# EAGLE board Mk4 Final Panel 8up 2x4 (EAGLE 9.0.1), part 18 of 23
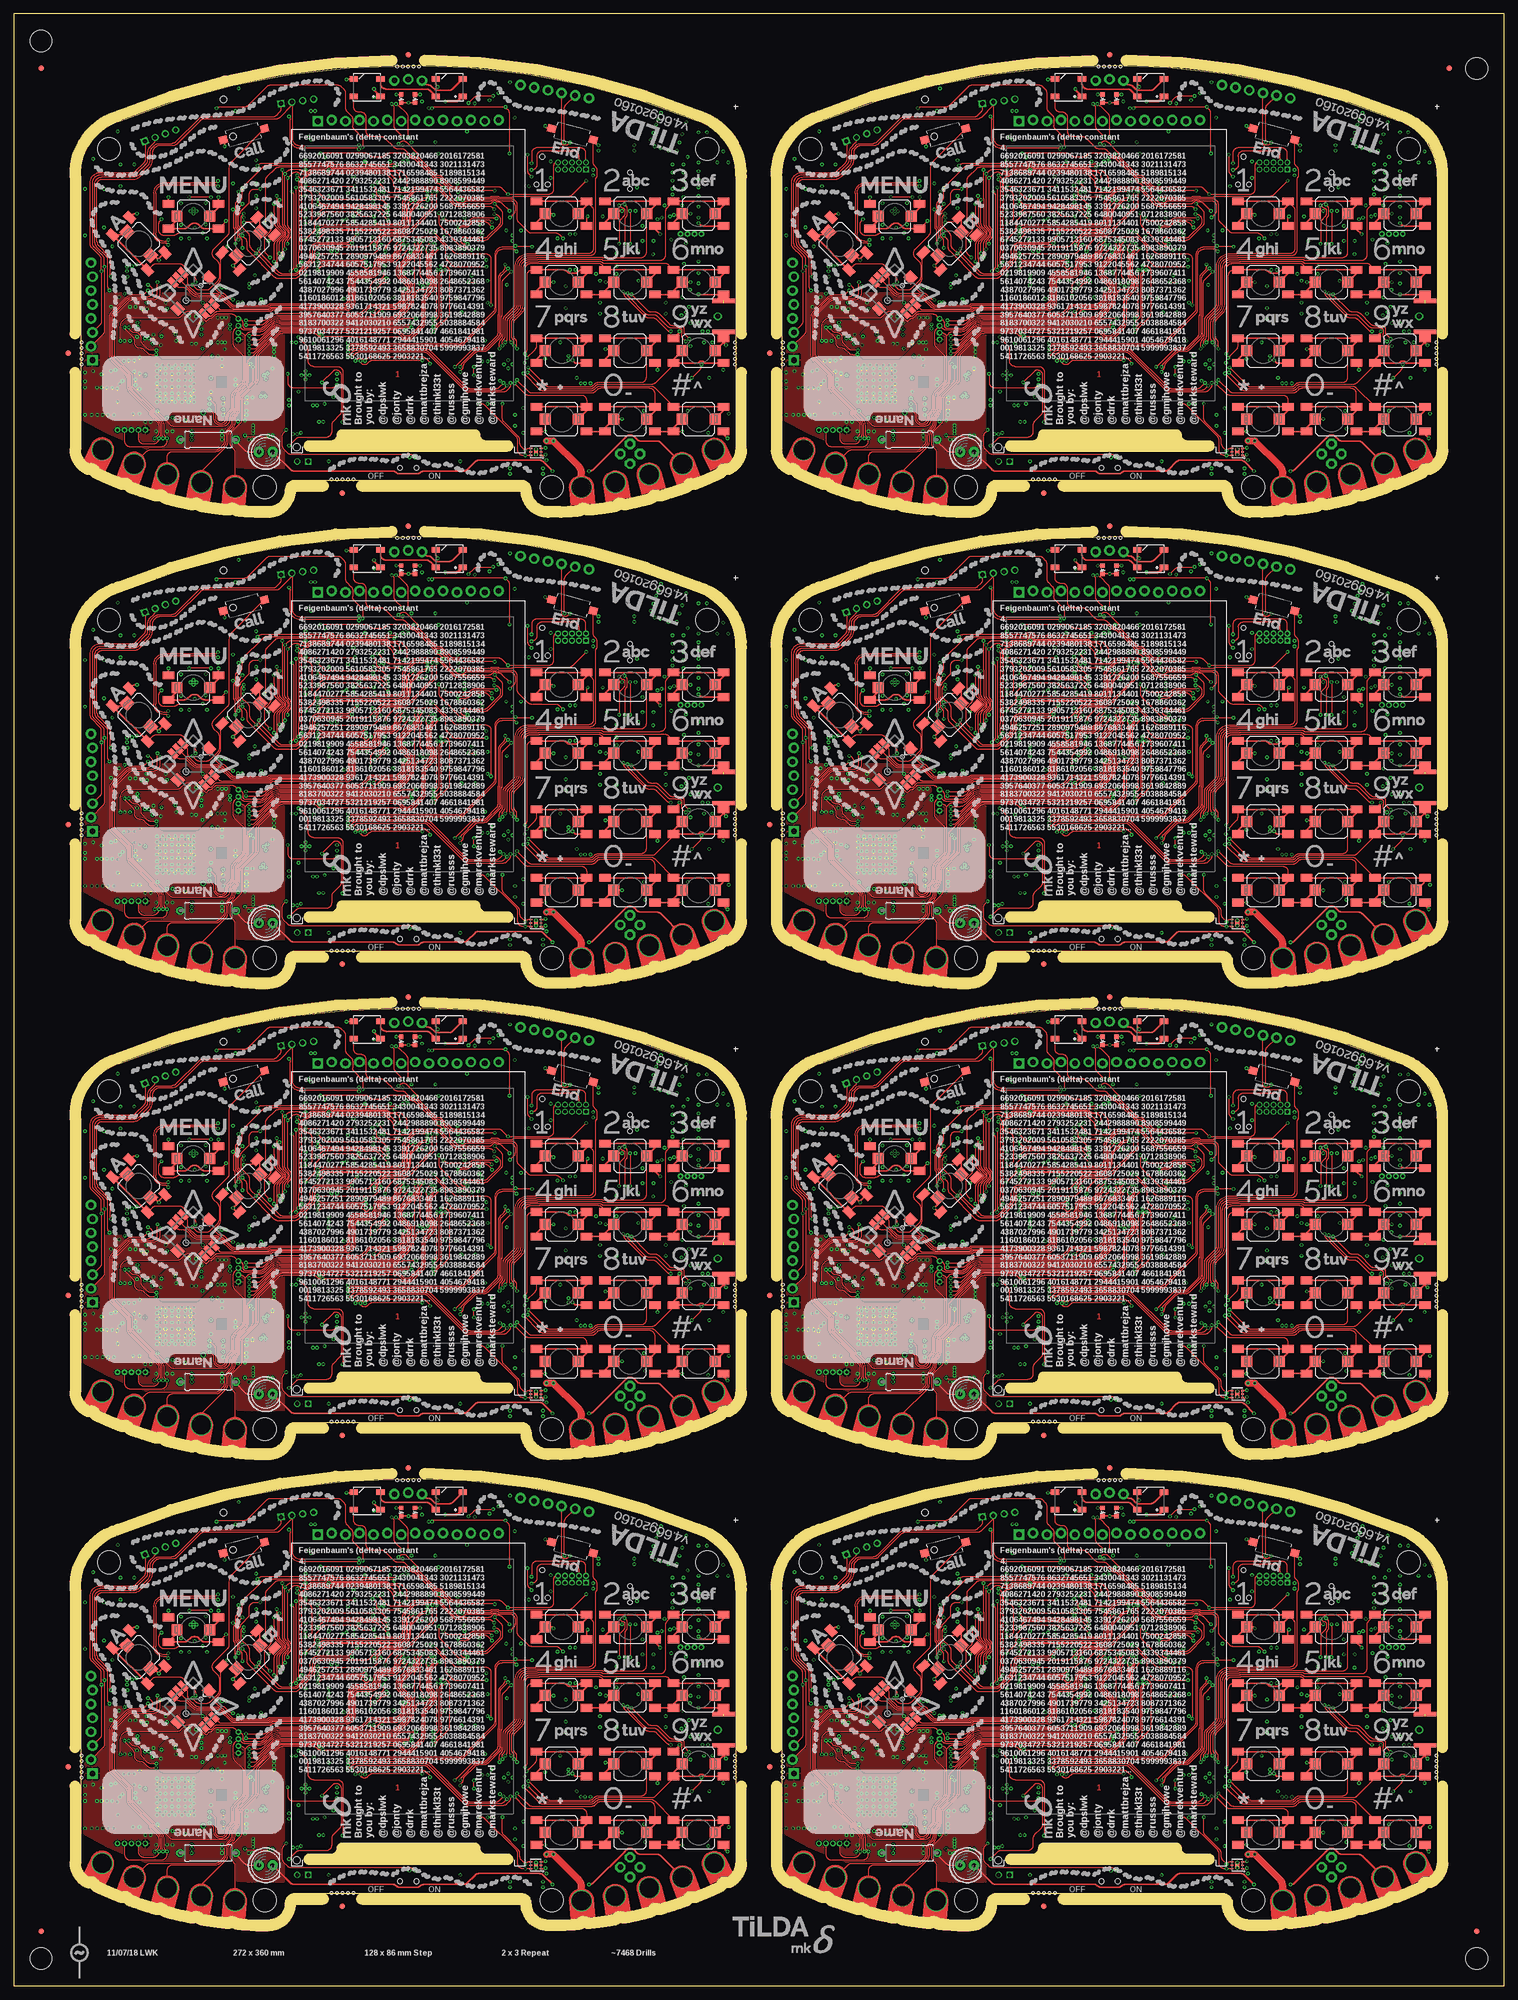
[diagram p0: board, top side]
## Tracks (layer width: path | path; a pad name or v marks a point on that pad's centre or on a via) (continued)
SDRAM_DQMH6  (via drill 0.3) (continued)
  Top 0.15: v45.75,321.75 arc45 46,322.35 46,329.59 arc-45 46.29,330.29 47.73,331.73 arc-45 48.44,332.02 56.86,332.02 56.97,332.14 arc-90 58.03,332.14 58.29,331.88 67.94,331.88 arc-45 68.29,331.73 68.43,331.59 arc45 68.78,331.44 70.14,331.44 arc-45 70.85,331.15 71.46,330.54 arc-45 71.75,329.84 v71.75,328
  Bottom 0.15: IC109.39 43.19,321.1 arc45 43.89,321.39 43.96,321.46 arc-45 44.66,321.75 v45.75,321.75 | IC110.82 72.6,329.26 arc-45 72.31,328.56 v71.75,328
SDRAM_DQMH7  (via drill 0.3)
  Top 0.15: v173.75,321.75 arc45 174,322.35 174,329.59 arc-45 174.29,330.29 175.73,331.73 arc-45 176.44,332.02 184.86,332.02 184.97,332.14 arc-90 186.03,332.14 186.29,331.88 195.94,331.88 arc-45 196.29,331.73 196.43,331.59 arc45 196.78,331.44 198.14,331.44 arc-45 198.85,331.15 199.46,330.54 arc-45 199.75,329.84 v199.75,328
  Bottom 0.15: IC127.39 171.19,321.1 arc45 171.89,321.39 171.96,321.46 arc-45 172.66,321.75 v173.75,321.75 | IC128.82 200.6,329.26 arc-45 200.31,328.56 v199.75,328
SDRAM_DQML  (via drill 0.3)
  Top 0.15: v53.25,63.75 53.5,63.75 arc90 54.5,64.75 54.5,68.7 arc90 53.5,69.7 arc-45 52.99,69.91 52.92,69.98 arc-45 52.7,70.51 52.7,71.59 arc-45 52.92,72.12 arc-45 53.54,72.38 arc45 53.84,72.5 54.05,72.71 arc-45 54.75,73 56.83,73 56.97,72.86 arc90 58.03,72.86 58.14,72.97 67.57,72.97 arc-45 67.92,72.83 68.96,71.79 arc-45 69.25,71.09 69.25,71 arc90 70.25,70 v71,70
  Bottom 0.15: IC2.15 53.61,63.9 arc45 v53.25,63.75 | IC1.81 72.2,71.61 arc-45 71.91,70.91 v71,70
SDRAM_DQML1  (via drill 0.3)
  Top 0.15: v181.25,63.75 181.5,63.75 arc90 182.5,64.75 182.5,68.7 arc90 181.5,69.7 arc-45 180.99,69.91 180.92,69.98 arc-45 180.7,70.51 180.7,71.59 arc-45 180.92,72.12 arc-45 181.54,72.38 arc45 181.84,72.5 182.05,72.71 arc-45 182.75,73 184.83,73 184.97,72.86 arc90 186.03,72.86 186.14,72.97 195.57,72.97 arc-45 195.92,72.83 196.96,71.79 arc-45 197.25,71.09 197.25,71 arc90 198.25,70 v199,70
  Bottom 0.15: IC19.15 181.61,63.9 arc45 v181.25,63.75 | IC20.81 200.2,71.61 arc-45 199.91,70.91 v199,70
SDRAM_DQML2  (via drill 0.3)
  Top 0.15: v53.25,149.75 53.5,149.75 arc90 54.5,150.75 54.5,154.7 arc90 53.5,155.7 arc-45 52.99,155.91 52.92,155.98 arc-45 52.7,156.51 52.7,157.59 arc-45 52.92,158.12 arc-45 53.54,158.38 arc45 53.84,158.5 54.05,158.71 arc-45 54.75,159 56.83,159 56.97,158.86 arc90 58.03,158.86 58.14,158.97 67.57,158.97 arc-45 67.92,158.83 68.96,157.79 arc-45 69.25,157.09 69.25,157 arc90 70.25,156 v71,156
  Bottom 0.15: IC37.15 53.61,149.9 arc45 v53.25,149.75 | IC38.81 72.2,157.61 arc-45 71.91,156.91 v71,156
SDRAM_DQML3  (via drill 0.3)
  Top 0.15: v181.25,149.75 181.5,149.75 arc90 182.5,150.75 182.5,154.7 arc90 181.5,155.7 arc-45 180.99,155.91 180.92,155.98 arc-45 180.7,156.51 180.7,157.59 arc-45 180.92,158.12 arc-45 181.54,158.38 arc45 181.84,158.5 182.05,158.71 arc-45 182.75,159 184.83,159 184.97,158.86 arc90 186.03,158.86 186.14,158.97 195.57,158.97 arc-45 195.92,158.83 196.96,157.79 arc-45 197.25,157.09 197.25,157 arc90 198.25,156 v199,156
  Bottom 0.15: IC55.15 181.61,149.9 arc45 v181.25,149.75 | IC56.81 200.2,157.61 arc-45 199.91,156.91 v199,156
SDRAM_DQML4  (via drill 0.3)
  Top 0.15: v53.25,235.75 53.5,235.75 arc90 54.5,236.75 54.5,240.7 arc90 53.5,241.7 arc-45 52.99,241.91 52.92,241.98 arc-45 52.7,242.51 52.7,243.59 arc-45 52.92,244.12 arc-45 53.54,244.38 arc45 53.84,244.5 54.05,244.71 arc-45 54.75,245 56.83,245 56.97,244.86 arc90 58.03,244.86 58.14,244.97 67.57,244.97 arc-45 67.92,244.83 68.96,243.79 arc-45 69.25,243.09 69.25,243 arc90 70.25,242 v71,242
  Bottom 0.15: IC73.15 53.61,235.9 arc45 v53.25,235.75 | IC74.81 72.2,243.61 arc-45 71.91,242.91 v71,242
SDRAM_DQML5  (via drill 0.3)
  Top 0.15: v181.25,235.75 181.5,235.75 arc90 182.5,236.75 182.5,240.7 arc90 181.5,241.7 arc-45 180.99,241.91 180.92,241.98 arc-45 180.7,242.51 180.7,243.59 arc-45 180.92,244.12 arc-45 181.54,244.38 arc45 181.84,244.5 182.05,244.71 arc-45 182.75,245 184.83,245 184.97,244.86 arc90 186.03,244.86 186.14,244.97 195.57,244.97 arc-45 195.92,244.83 196.96,243.79 arc-45 197.25,243.09 197.25,243 arc90 198.25,242 v199,242
  Bottom 0.15: IC91.15 181.61,235.9 arc45 v181.25,235.75 | IC92.81 200.2,243.61 arc-45 199.91,242.91 v199,242
SDRAM_DQML6  (via drill 0.3)
  Top 0.15: v53.25,321.75 53.5,321.75 arc90 54.5,322.75 54.5,326.7 arc90 53.5,327.7 arc-45 52.99,327.91 52.92,327.98 arc-45 52.7,328.51 52.7,329.59 arc-45 52.92,330.12 arc-45 53.54,330.38 arc45 53.84,330.5 54.05,330.71 arc-45 54.75,331 56.83,331 56.97,330.86 arc90 58.03,330.86 58.14,330.98 67.57,330.98 arc-45 67.92,330.83 68.96,329.79 arc-45 69.25,329.09 69.25,329 arc90 70.25,328 v71,328
  Bottom 0.15: IC109.15 53.61,321.9 arc45 v53.25,321.75 | IC110.81 72.2,329.61 arc-45 71.91,328.91 v71,328
SDRAM_DQML7  (via drill 0.3)
  Top 0.15: v181.25,321.75 181.5,321.75 arc90 182.5,322.75 182.5,326.7 arc90 181.5,327.7 arc-45 180.99,327.91 180.92,327.98 arc-45 180.7,328.51 180.7,329.59 arc-45 180.92,330.12 arc-45 181.54,330.38 arc45 181.84,330.5 182.05,330.71 arc-45 182.75,331 184.83,331 184.97,330.86 arc90 186.03,330.86 186.14,330.98 195.57,330.98 arc-45 195.92,330.83 196.96,329.79 arc-45 197.25,329.09 197.25,329 arc90 198.25,328 v199,328
  Bottom 0.15: IC127.15 181.61,321.9 arc45 v181.25,321.75 | IC128.81 200.2,329.61 arc-45 199.91,328.91 v199,328
SIM_CLK  (via drill 0.3)
  Top 0.2: v112,51 112,50.91 arc45 112.29,50.21 115.21,47.29 arc45 115.91,47 116.84,47 arc-45 117.54,46.71 119.36,44.89 arc45 120.06,44.6 120.9,44.6 120.95,44.55 121.55,44.55 arc-90 122.05,44.05 122.05,43.8 arc-45 121.99,43.66 121.96,43.62 arc45 121.9,43.48 121.9,43.16 arc45 122.05,42.8 v122.65,42.2 | v111.5,67.15 111.5,67.12 111.75,66.87 arc-45 111.9,66.52 111.9,65.2 arc-45 111.79,64.94 arc45 111.5,64.24 v111.5,60
  3V3@2 0.2: v122.65,42.2 122.75,42.1 124,42.1 124.75,41.35 124.75,37.7 v126.93,35.52
  Bottom 0.2: J1.C3 v126.93,35.52 | v111.5,60 arc45 111.25,59.4 111.25,53.34 arc-45 111.03,52.81 110.67,52.45 arc45 110.45,51.92 110.45,51.48 arc45 110.6,51.13 110.9,50.83 arc90 111.6,50.83 111.78,51 v112,51 | R27.2 111.5,65.72 111.55,65.77 111.55,66.23 111.5,66.28 v111.5,67.15 | IC10.2 122.45,42.4 v122.65,42.2
SIM_CLK1  (via drill 0.3)
  Top 0.2: v240,51 240,50.91 arc45 240.29,50.21 243.21,47.29 arc45 243.91,47 244.84,47 arc-45 245.54,46.71 247.36,44.89 arc45 248.06,44.6 248.9,44.6 248.95,44.55 249.55,44.55 arc-90 250.05,44.05 250.05,43.8 arc-45 249.99,43.66 249.96,43.62 arc45 249.9,43.48 249.9,43.16 arc45 250.05,42.8 v250.65,42.2 | v239.5,67.15 239.5,67.12 239.75,66.87 arc-45 239.9,66.52 239.9,65.2 arc-45 239.79,64.94 arc45 239.5,64.24 v239.5,60
  3V3@2 0.2: v250.65,42.2 250.75,42.1 252,42.1 252.75,41.35 252.75,37.7 v254.93,35.52
  Bottom 0.2: J14.C3 v254.93,35.52 | v239.5,60 arc45 239.25,59.4 239.25,53.34 arc-45 239.03,52.81 238.67,52.45 arc45 238.45,51.92 238.45,51.48 arc45 238.6,51.13 238.9,50.83 arc90 239.6,50.83 239.78,51 v240,51 | R109.2 239.5,65.72 239.55,65.77 239.55,66.23 239.5,66.28 v239.5,67.15 | IC25.2 250.45,42.4 v250.65,42.2
SIM_CLK2  (via drill 0.3)
  Top 0.2: v112,137 112,136.91 arc45 112.29,136.21 115.21,133.29 arc45 115.91,133 116.84,133 arc-45 117.54,132.71 119.36,130.89 arc45 120.06,130.6 120.9,130.6 120.95,130.55 121.55,130.55 arc-90 122.05,130.05 122.05,129.8 arc-45 121.99,129.66 121.96,129.62 arc45 121.9,129.48 121.9,129.16 arc45 122.05,128.8 v122.65,128.2 | v111.5,153.15 111.5,153.12 111.75,152.87 arc-45 111.9,152.52 111.9,151.2 arc-45 111.79,150.94 arc45 111.5,150.24 v111.5,146
  3V3@2 0.2: v122.65,128.2 122.75,128.1 124,128.1 124.75,127.35 124.75,123.7 v126.93,121.52
  Bottom 0.2: J24.C3 v126.93,121.52 | v111.5,146 arc45 111.25,145.4 111.25,139.34 arc-45 111.03,138.81 110.67,138.45 arc45 110.45,137.92 110.45,137.48 arc45 110.6,137.13 110.9,136.83 arc90 111.6,136.83 111.78,137 v112,137 | R187.2 111.5,151.72 111.55,151.77 111.55,152.23 111.5,152.28 v111.5,153.15 | IC43.2 122.45,128.4 v122.65,128.2
SIM_CLK3  (via drill 0.3)
  Top 0.2: v240,137 240,136.91 arc45 240.29,136.21 243.21,133.29 arc45 243.91,133 244.84,133 arc-45 245.54,132.71 247.36,130.89 arc45 248.06,130.6 248.9,130.6 248.95,130.55 249.55,130.55 arc-90 250.05,130.05 250.05,129.8 arc-45 249.99,129.66 249.96,129.62 arc45 249.9,129.48 249.9,129.16 arc45 250.05,128.8 v250.65,128.2 | v239.5,153.15 239.5,153.12 239.75,152.87 arc-45 239.9,152.52 239.9,151.2 arc-45 239.79,150.94 arc45 239.5,150.24 v239.5,146
  3V3@2 0.2: v250.65,128.2 250.75,128.1 252,128.1 252.75,127.35 252.75,123.7 v254.93,121.52
  Bottom 0.2: J34.C3 v254.93,121.52 | v239.5,146 arc45 239.25,145.4 239.25,139.34 arc-45 239.03,138.81 238.67,138.45 arc45 238.45,137.92 238.45,137.48 arc45 238.6,137.13 238.9,136.83 arc90 239.6,136.83 239.78,137 v240,137 | R265.2 239.5,151.72 239.55,151.77 239.55,152.23 239.5,152.28 v239.5,153.15 | IC61.2 250.45,128.4 v250.65,128.2
SIM_CLK4  (via drill 0.3)
  Top 0.2: v112,223 112,222.91 arc45 112.29,222.21 115.21,219.29 arc45 115.91,219 116.84,219 arc-45 117.54,218.71 119.36,216.89 arc45 120.06,216.6 120.9,216.6 120.95,216.55 121.55,216.55 arc-90 122.05,216.05 122.05,215.8 arc-45 121.99,215.66 121.96,215.62 arc45 121.9,215.48 121.9,215.16 arc45 122.05,214.8 v122.65,214.2 | v111.5,239.15 111.5,239.12 111.75,238.87 arc-45 111.9,238.52 111.9,237.2 arc-45 111.79,236.94 arc45 111.5,236.24 v111.5,232
  3V3@2 0.2: v122.65,214.2 122.75,214.1 124,214.1 124.75,213.35 124.75,209.7 v126.93,207.52
  Bottom 0.2: J44.C3 v126.93,207.52 | v111.5,232 arc45 111.25,231.4 111.25,225.34 arc-45 111.03,224.81 110.67,224.45 arc45 110.45,223.92 110.45,223.48 arc45 110.6,223.13 110.9,222.83 arc90 111.6,222.83 111.78,223 v112,223 | R343.2 111.5,237.72 111.55,237.77 111.55,238.23 111.5,238.28 v111.5,239.15 | IC79.2 122.45,214.4 v122.65,214.2
SIM_CLK5  (via drill 0.3)
  Top 0.2: v240,223 240,222.91 arc45 240.29,222.21 243.21,219.29 arc45 243.91,219 244.84,219 arc-45 245.54,218.71 247.36,216.89 arc45 248.06,216.6 248.9,216.6 248.95,216.55 249.55,216.55 arc-90 250.05,216.05 250.05,215.8 arc-45 249.99,215.66 249.96,215.62 arc45 249.9,215.48 249.9,215.16 arc45 250.05,214.8 v250.65,214.2 | v239.5,239.15 239.5,239.12 239.75,238.87 arc-45 239.9,238.52 239.9,237.2 arc-45 239.79,236.94 arc45 239.5,236.24 v239.5,232
  3V3@2 0.2: v250.65,214.2 250.75,214.1 252,214.1 252.75,213.35 252.75,209.7 v254.93,207.52
  Bottom 0.2: J54.C3 v254.93,207.52 | v239.5,232 arc45 239.25,231.4 239.25,225.34 arc-45 239.03,224.81 238.67,224.45 arc45 238.45,223.92 238.45,223.48 arc45 238.6,223.13 238.9,222.83 arc90 239.6,222.83 239.78,223 v240,223 | R421.2 239.5,237.72 239.55,237.77 239.55,238.23 239.5,238.28 v239.5,239.15 | IC97.2 250.45,214.4 v250.65,214.2
SIM_CLK6  (via drill 0.3)
  Top 0.2: v112,309 112,308.91 arc45 112.29,308.21 115.21,305.29 arc45 115.91,305 116.84,305 arc-45 117.54,304.71 119.36,302.89 arc45 120.06,302.6 120.9,302.6 120.95,302.55 121.55,302.55 arc-90 122.05,302.05 122.05,301.8 arc-45 121.99,301.65 121.96,301.62 arc45 121.9,301.48 121.9,301.16 arc45 122.05,300.8 v122.65,300.2 | v111.5,325.15 111.5,325.12 111.75,324.87 arc-45 111.9,324.52 111.9,323.2 arc-45 111.79,322.94 arc45 111.5,322.24 v111.5,318
  3V3@2 0.2: v122.65,300.2 122.75,300.1 124,300.1 124.75,299.35 124.75,295.7 v126.93,293.52
  Bottom 0.2: J64.C3 v126.93,293.52 | v111.5,318 arc45 111.25,317.4 111.25,311.34 arc-45 111.03,310.81 110.67,310.45 arc45 110.45,309.92 110.45,309.48 arc45 110.6,309.13 110.9,308.83 arc90 111.6,308.83 111.78,309 v112,309 | R499.2 111.5,323.72 111.55,323.77 111.55,324.23 111.5,324.28 v111.5,325.15 | IC115.2 122.45,300.4 v122.65,300.2
SIM_CLK7  (via drill 0.3)
  Top 0.2: v240,309 240,308.91 arc45 240.29,308.21 243.21,305.29 arc45 243.91,305 244.84,305 arc-45 245.54,304.71 247.36,302.89 arc45 248.06,302.6 248.9,302.6 248.95,302.55 249.55,302.55 arc-90 250.05,302.05 250.05,301.8 arc-45 249.99,301.65 249.96,301.62 arc45 249.9,301.48 249.9,301.16 arc45 250.05,300.8 v250.65,300.2 | v239.5,325.15 239.5,325.12 239.75,324.87 arc-45 239.9,324.52 239.9,323.2 arc-45 239.79,322.94 arc45 239.5,322.24 v239.5,318
  3V3@2 0.2: v250.65,300.2 250.75,300.1 252,300.1 252.75,299.35 252.75,295.7 v254.93,293.52
  Bottom 0.2: J74.C3 v254.93,293.52 | v239.5,318 arc45 239.25,317.4 239.25,311.34 arc-45 239.03,310.81 238.67,310.45 arc45 238.45,309.92 238.45,309.48 arc45 238.6,309.13 238.9,308.83 arc90 239.6,308.83 239.78,309 v240,309 | R577.2 239.5,323.72 239.55,323.77 239.55,324.23 239.5,324.28 v239.5,325.15 | IC133.2 250.45,300.4 v250.65,300.2
SIM_CLK_R
  Bottom 0.2: IC5.16 111.4,63.9 R27.1 C49.2
SIM_CLK_R1
  Bottom 0.2: IC21.16 239.4,63.9 R109.1 C156.2
SIM_CLK_R2
  Bottom 0.2: IC39.16 111.4,149.9 R187.1 C264.2
SIM_CLK_R3
  Bottom 0.2: IC57.16 239.4,149.9 R265.1 C372.2
SIM_CLK_R4
  Bottom 0.2: IC75.16 111.4,235.9 R343.1 C480.2
SIM_CLK_R5
  Bottom 0.2: IC93.16 239.4,235.9 R421.1 C588.2
SIM_CLK_R6
  Bottom 0.2: IC111.16 111.4,321.9 R499.1 C696.2
SIM_CLK_R7
  Bottom 0.2: IC129.16 239.4,321.9 R577.1 C804.2
SIM_CTS
  Bottom 0.2: R34.1 98.5,50.25 TP4.TP
SIM_CTS1
  Bottom 0.2: R117.1 226.5,50.25 TP23.TP
SIM_CTS2
  Bottom 0.2: R195.1 98.5,136.25 TP42.TP
SIM_CTS3
  Bottom 0.2: R273.1 226.5,136.25 TP61.TP
SIM_CTS4
  Bottom 0.2: R351.1 98.5,222.25 TP80.TP
SIM_CTS5
  Bottom 0.2: R429.1 226.5,222.25 TP99.TP
SIM_CTS6
  Bottom 0.2: R507.1 98.5,308.25 TP118.TP
SIM_CTS7
  Bottom 0.2: R585.1 226.5,308.25 TP137.TP
SIM_CTS_R
  Bottom 0.15: IC5.4 R34.2
SIM_CTS_R1
  Bottom 0.15: IC21.4 R117.2
SIM_CTS_R2
  Bottom 0.15: IC39.4 R195.2
SIM_CTS_R3
  Bottom 0.15: IC57.4 R273.2
SIM_CTS_R4
  Bottom 0.15: IC75.4 R351.2
SIM_CTS_R5
  Bottom 0.15: IC93.4 R429.2
SIM_CTS_R6
  Bottom 0.15: IC111.4 R507.2
SIM_CTS_R7
  Bottom 0.15: IC129.4 R585.2
SIM_D_N
  Bottom 0.25: IC5.26 121.35,54.65 121.7,55 122.1,55 arc90 123.8,56.7 123.8,61.37 arc-90 JP9.2
SIM_D_N1
  Bottom 0.25: IC21.26 249.35,54.65 249.7,55 250.1,55 arc90 251.8,56.7 251.8,61.37 arc-90 JP14.2
SIM_D_N2
  Bottom 0.25: IC39.26 121.35,140.65 121.7,141 122.1,141 arc90 123.8,142.7 123.8,147.37 arc-90 JP23.2
SIM_D_N3
  Bottom 0.25: IC57.26 249.35,140.65 249.7,141 250.1,141 arc90 251.8,142.7 251.8,147.37 arc-90 JP32.2
SIM_D_N4
  Bottom 0.25: IC75.26 121.35,226.65 121.7,227 122.1,227 arc90 123.8,228.7 123.8,233.37 arc-90 JP41.2
SIM_D_N5
  Bottom 0.25: IC93.26 249.35,226.65 249.7,227 250.1,227 arc90 251.8,228.7 251.8,233.37 arc-90 JP50.2
SIM_D_N6
  Bottom 0.25: IC111.26 121.35,312.65 121.7,313 122.1,313 arc90 123.8,314.7 123.8,319.37 arc-90 JP59.2
SIM_D_N7
  Bottom 0.25: IC129.26 249.35,312.65 249.7,313 250.1,313 arc90 251.8,314.7 251.8,319.37 arc-90 JP68.2
SIM_D_P
  Bottom 0.25: IC5.25 121.35,55.75 121.7,55.4 122.1,55.4 arc90 123.4,56.7 123.4,61.36 arc90 JP9.3
SIM_D_P1
  Bottom 0.25: IC21.25 249.35,55.75 249.7,55.4 250.1,55.4 arc90 251.4,56.7 251.4,61.36 arc90 JP14.3
SIM_D_P2
  Bottom 0.25: IC39.25 121.35,141.75 121.7,141.4 122.1,141.4 arc90 123.4,142.7 123.4,147.36 arc90 JP23.3
SIM_D_P3
  Bottom 0.25: IC57.25 249.35,141.75 249.7,141.4 250.1,141.4 arc90 251.4,142.7 251.4,147.36 arc90 JP32.3
SIM_D_P4
  Bottom 0.25: IC75.25 121.35,227.75 121.7,227.4 122.1,227.4 arc90 123.4,228.7 123.4,233.36 arc90 JP41.3
SIM_D_P5
  Bottom 0.25: IC93.25 249.35,227.75 249.7,227.4 250.1,227.4 arc90 251.4,228.7 251.4,233.36 arc90 JP50.3
SIM_D_P6
  Bottom 0.25: IC111.25 121.35,313.75 121.7,313.4 122.1,313.4 arc90 123.4,314.7 123.4,319.36 arc90 JP59.3
SIM_D_P7
  Bottom 0.25: IC129.25 249.35,313.75 249.7,313.4 250.1,313.4 arc90 251.4,314.7 251.4,319.36 arc90 JP68.3
SIM_DATA  (via drill 0.3)
  Top 0.2: v123.75,35.5 125.21,36.96 arc45 125.5,37.66 v125.5,38 | v110.5,60 110.5,63.73 arc-45 110.79,64.44 111.26,64.9 arc45 111.55,65.61 111.55,66.05 arc90 111.05,66.55 110.95,66.55 v110.5,67 | v112.75,50.75 115.71,47.79 arc45 116.41,47.5 117.09,47.5 arc-45 117.79,47.21 119.71,45.29 arc45 120.41,45 121.04,45 arc-45 121.14,44.96 arc45 121.28,44.9 121.9,44.9 arc-90 122.4,44.4 122.4,43.76 arc45 122.55,43.4 v123.3,42.65
  3V3@2 0.2: v125.5,38 125.25,38.25 125.25,41.45 124.05,42.65 v123.3,42.65
  Bottom 0.2: J1.C7 122.87,35.5 v123.75,35.5 | v110.5,60 arc-45 110.75,59.4 110.75,53.33 arc-45 110.53,52.8 110.32,52.59 arc45 110.1,52.06 110.1,51.44 arc45 110.32,50.91 110.8,50.43 arc90 112.21,50.43 112.53,50.75 v112.75,50.75 | R26.2 109.5,65.59 arc-45 109.79,66.29 v110.5,67 | IC10.1 122.7,42.9 arc-45 v123.3,42.65
SIM_DATA1  (via drill 0.3)
  Top 0.2: v251.75,35.5 253.21,36.96 arc45 253.5,37.66 v253.5,38 | v238.5,60 238.5,63.73 arc-45 238.79,64.44 239.26,64.9 arc45 239.55,65.61 239.55,66.05 arc90 239.05,66.55 238.95,66.55 v238.5,67 | v240.75,50.75 243.71,47.79 arc45 244.41,47.5 245.09,47.5 arc-45 245.79,47.21 247.71,45.29 arc45 248.41,45 249.04,45 arc-45 249.14,44.96 arc45 249.28,44.9 249.9,44.9 arc-90 250.4,44.4 250.4,43.76 arc45 250.55,43.4 v251.3,42.65
  3V3@2 0.2: v253.5,38 253.25,38.25 253.25,41.45 252.05,42.65 v251.3,42.65
  Bottom 0.2: J14.C7 250.87,35.5 v251.75,35.5 | v238.5,60 arc-45 238.75,59.4 238.75,53.33 arc-45 238.53,52.8 238.32,52.59 arc45 238.1,52.06 238.1,51.44 arc45 238.32,50.91 238.79,50.43 arc90 240.21,50.43 240.53,50.75 v240.75,50.75 | R108.2 237.5,65.59 arc-45 237.79,66.29 v238.5,67 | IC25.1 250.7,42.9 arc-45 v251.3,42.65
SIM_DATA2  (via drill 0.3)
  Top 0.2: v123.75,121.5 125.21,122.96 arc45 125.5,123.66 v125.5,124 | v110.5,146 110.5,149.73 arc-45 110.79,150.44 111.26,150.9 arc45 111.55,151.61 111.55,152.05 arc90 111.05,152.55 110.95,152.55 v110.5,153 | v112.75,136.75 115.71,133.79 arc45 116.41,133.5 117.09,133.5 arc-45 117.79,133.21 119.71,131.29 arc45 120.41,131 121.04,131 arc-45 121.14,130.96 arc45 121.28,130.9 121.9,130.9 arc-90 122.4,130.4 122.4,129.76 arc45 122.55,129.4 v123.3,128.65
  3V3@2 0.2: v125.5,124 125.25,124.25 125.25,127.45 124.05,128.65 v123.3,128.65
  Bottom 0.2: J24.C7 122.87,121.5 v123.75,121.5 | v110.5,146 arc-45 110.75,145.4 110.75,139.33 arc-45 110.53,138.8 110.32,138.59 arc45 110.1,138.06 110.1,137.44 arc45 110.32,136.91 110.8,136.43 arc90 112.21,136.43 112.53,136.75 v112.75,136.75 | R186.2 109.5,151.59 arc-45 109.79,152.29 v110.5,153 | IC43.1 122.7,128.9 arc-45 v123.3,128.65
SIM_DATA3  (via drill 0.3)
  Top 0.2: v251.75,121.5 253.21,122.96 arc45 253.5,123.66 v253.5,124 | v238.5,146 238.5,149.73 arc-45 238.79,150.44 239.26,150.9 arc45 239.55,151.61 239.55,152.05 arc90 239.05,152.55 238.95,152.55 v238.5,153 | v240.75,136.75 243.71,133.79 arc45 244.41,133.5 245.09,133.5 arc-45 245.79,133.21 247.71,131.29 arc45 248.41,131 249.04,131 arc-45 249.14,130.96 arc45 249.28,130.9 249.9,130.9 arc-90 250.4,130.4 250.4,129.76 arc45 250.55,129.4 v251.3,128.65
  3V3@2 0.2: v253.5,124 253.25,124.25 253.25,127.45 252.05,128.65 v251.3,128.65
  Bottom 0.2: J34.C7 250.87,121.5 v251.75,121.5 | v238.5,146 arc-45 238.75,145.4 238.75,139.33 arc-45 238.53,138.8 238.32,138.59 arc45 238.1,138.06 238.1,137.44 arc45 238.32,136.91 238.79,136.43 arc90 240.21,136.43 240.53,136.75 v240.75,136.75 | R264.2 237.5,151.59 arc-45 237.79,152.29 v238.5,153 | IC61.1 250.7,128.9 arc-45 v251.3,128.65
SIM_DATA4  (via drill 0.3)
  Top 0.2: v123.75,207.5 125.21,208.96 arc45 125.5,209.66 v125.5,210 | v110.5,232 110.5,235.73 arc-45 110.79,236.44 111.26,236.9 arc45 111.55,237.61 111.55,238.05 arc90 111.05,238.55 110.95,238.55 v110.5,239 | v112.75,222.75 115.71,219.79 arc45 116.41,219.5 117.09,219.5 arc-45 117.79,219.21 119.71,217.29 arc45 120.41,217 121.04,217 arc-45 121.14,216.96 arc45 121.28,216.9 121.9,216.9 arc-90 122.4,216.4 122.4,215.76 arc45 122.55,215.4 v123.3,214.65
  3V3@2 0.2: v125.5,210 125.25,210.25 125.25,213.45 124.05,214.65 v123.3,214.65
  Bottom 0.2: J44.C7 122.87,207.5 v123.75,207.5 | v110.5,232 arc-45 110.75,231.4 110.75,225.33 arc-45 110.53,224.8 110.32,224.59 arc45 110.1,224.06 110.1,223.44 arc45 110.32,222.91 110.8,222.43 arc90 112.21,222.43 112.53,222.75 v112.75,222.75 | R342.2 109.5,237.59 arc-45 109.79,238.29 v110.5,239 | IC79.1 122.7,214.9 arc-45 v123.3,214.65
SIM_DATA5  (via drill 0.3)
  Top 0.2: v251.75,207.5 253.21,208.96 arc45 253.5,209.66 v253.5,210 | v238.5,232 238.5,235.73 arc-45 238.79,236.44 239.26,236.9 arc45 239.55,237.61 239.55,238.05 arc90 239.05,238.55 238.95,238.55 v238.5,239 | v240.75,222.75 243.71,219.79 arc45 244.41,219.5 245.09,219.5 arc-45 245.79,219.21 247.71,217.29 arc45 248.41,217 249.04,217 arc-45 249.14,216.96 arc45 249.28,216.9 249.9,216.9 arc-90 250.4,216.4 250.4,215.76 arc45 250.55,215.4 v251.3,214.65
  3V3@2 0.2: v253.5,210 253.25,210.25 253.25,213.45 252.05,214.65 v251.3,214.65
  Bottom 0.2: J54.C7 250.87,207.5 v251.75,207.5 | v238.5,232 arc-45 238.75,231.4 238.75,225.33 arc-45 238.53,224.8 238.32,224.59 arc45 238.1,224.06 238.1,223.44 arc45 238.32,222.91 238.79,222.43 arc90 240.21,222.43 240.53,222.75 v240.75,222.75 | R420.2 237.5,237.59 arc-45 237.79,238.29 v238.5,239 | IC97.1 250.7,214.9 arc-45 v251.3,214.65
SIM_DATA6  (via drill 0.3)
  Top 0.2: v123.75,293.5 125.21,294.96 arc45 125.5,295.66 v125.5,296 | v110.5,318 110.5,321.73 arc-45 110.79,322.44 111.26,322.9 arc45 111.55,323.61 111.55,324.05 arc90 111.05,324.55 110.95,324.55 v110.5,325 | v112.75,308.75 115.71,305.79 arc45 116.41,305.5 117.09,305.5 arc-45 117.79,305.21 119.71,303.29 arc45 120.41,303 121.04,303 arc-45 121.14,302.96 arc45 121.28,302.9 121.9,302.9 arc-90 122.4,302.4 122.4,301.76 arc45 122.55,301.4 v123.3,300.65
  3V3@2 0.2: v125.5,296 125.25,296.25 125.25,299.45 124.05,300.65 v123.3,300.65
  Bottom 0.2: J64.C7 122.87,293.5 v123.75,293.5 | v110.5,318 arc-45 110.75,317.4 110.75,311.33 arc-45 110.53,310.8 110.32,310.59 arc45 110.1,310.06 110.1,309.44 arc45 110.32,308.91 110.8,308.43 arc90 112.21,308.43 112.53,308.75 v112.75,308.75 | R498.2 109.5,323.59 arc-45 109.79,324.29 v110.5,325 | IC115.1 122.7,300.9 arc-45 v123.3,300.65
SIM_DATA7  (via drill 0.3)
  Top 0.2: v251.75,293.5 253.21,294.96 arc45 253.5,295.66 v253.5,296 | v238.5,318 238.5,321.73 arc-45 238.79,322.44 239.26,322.9 arc45 239.55,323.61 239.55,324.05 arc90 239.05,324.55 238.95,324.55 v238.5,325 | v240.75,308.75 243.71,305.79 arc45 244.41,305.5 245.09,305.5 arc-45 245.79,305.21 247.71,303.29 arc45 248.41,303 249.04,303 arc-45 249.14,302.96 arc45 249.28,302.9 249.9,302.9 arc-90 250.4,302.4 250.4,301.76 arc45 250.55,301.4 v251.3,300.65
  3V3@2 0.2: v253.5,296 253.25,296.25 253.25,299.45 252.05,300.65 v251.3,300.65
  Bottom 0.2: J74.C7 250.87,293.5 v251.75,293.5 | v238.5,318 arc-45 238.75,317.4 238.75,311.33 arc-45 238.53,310.8 238.32,310.59 arc45 238.1,310.06 238.1,309.44 arc45 238.32,308.91 238.79,308.43 arc90 240.21,308.43 240.53,308.75 v240.75,308.75 | R576.2 237.5,323.59 arc-45 237.79,324.29 v238.5,325 | IC133.1 250.7,300.9 arc-45 v251.3,300.65
SIM_DATA_R
  Bottom 0.2: C50.2 R26.1 109.5,63.91 arc45 109.79,63.21 110.01,62.99 arc-45 110.3,62.29 IC5.15
SIM_DATA_R1
  Bottom 0.2: C157.2 R108.1 237.5,63.91 arc45 237.79,63.21 238.01,62.99 arc-45 238.3,62.29 IC21.15
SIM_DATA_R2
  Bottom 0.2: C265.2 R186.1 109.5,149.91 arc45 109.79,149.21 110.01,148.99 arc-45 110.3,148.29 IC39.15
SIM_DATA_R3
  Bottom 0.2: C373.2 R264.1 237.5,149.91 arc45 237.79,149.21 238.01,148.99 arc-45 238.3,148.29 IC57.15
SIM_DATA_R4
  Bottom 0.2: C481.2 R342.1 109.5,235.91 arc45 109.79,235.21 110.01,234.99 arc-45 110.3,234.29 IC75.15
SIM_DATA_R5
  Bottom 0.2: C589.2 R420.1 237.5,235.91 arc45 237.79,235.21 238.01,234.99 arc-45 238.3,234.29 IC93.15
SIM_DATA_R6
  Bottom 0.2: C697.2 R498.1 109.5,321.91 arc45 109.79,321.21 110.01,320.99 arc-45 110.3,320.29 IC111.15
SIM_DATA_R7
  Bottom 0.2: C805.2 R576.1 237.5,321.91 arc45 237.79,321.21 238.01,320.99 arc-45 238.3,320.29 IC129.15
SIM_DCD
  Bottom 0.2: R33.1 100,51.25 TP3.TP
SIM_DCD1
  Bottom 0.2: R116.1 228,51.25 TP22.TP
SIM_DCD2
  Bottom 0.2: R194.1 100,137.25 TP41.TP
SIM_DCD3
  Bottom 0.2: R272.1 228,137.25 TP60.TP
SIM_DCD4
  Bottom 0.2: R350.1 100,223.25 TP79.TP
SIM_DCD5
  Bottom 0.2: R428.1 228,223.25 TP98.TP
SIM_DCD6
  Bottom 0.2: R506.1 100,309.25 TP117.TP
SIM_DCD7
  Bottom 0.2: R584.1 228,309.25 TP136.TP
SIM_DCD_R
  Bottom 0.15: IC5.5 102.6,51.35 R33.2
SIM_DCD_R1
  Bottom 0.15: IC21.5 230.6,51.35 R116.2
SIM_DCD_R2
  Bottom 0.15: IC39.5 102.6,137.35 R194.2
SIM_DCD_R3
  Bottom 0.15: IC57.5 230.6,137.35 R272.2
SIM_DCD_R4
  Bottom 0.15: IC75.5 102.6,223.35 R350.2
SIM_DCD_R5
  Bottom 0.15: IC93.5 230.6,223.35 R428.2
SIM_DCD_R6
  Bottom 0.15: IC111.5 102.6,309.35 R506.2
SIM_DCD_R7
  Bottom 0.15: IC129.5 230.6,309.35 R584.2
SIM_DET
  Bottom 0.2: IC5.14 109.2,47 arc90 110.2,46 117.09,46 arc-45 117.79,45.71 118.71,44.79 arc-45 119,44.09 R29.2 119,40.41 arc45 119.29,39.71 120.65,38.35 arc45 121.35,38.06 J1.C8
SIM_DET1
  Bottom 0.2: IC21.14 237.2,47 arc90 238.2,46 245.09,46 arc-45 245.79,45.71 246.71,44.79 arc-45 247,44.09 R111.2 247,40.41 arc45 247.29,39.71 248.65,38.35 arc45 249.35,38.06 J14.C8